# Allegro board C112P01-T2-ZDS-A03.brd (continued)
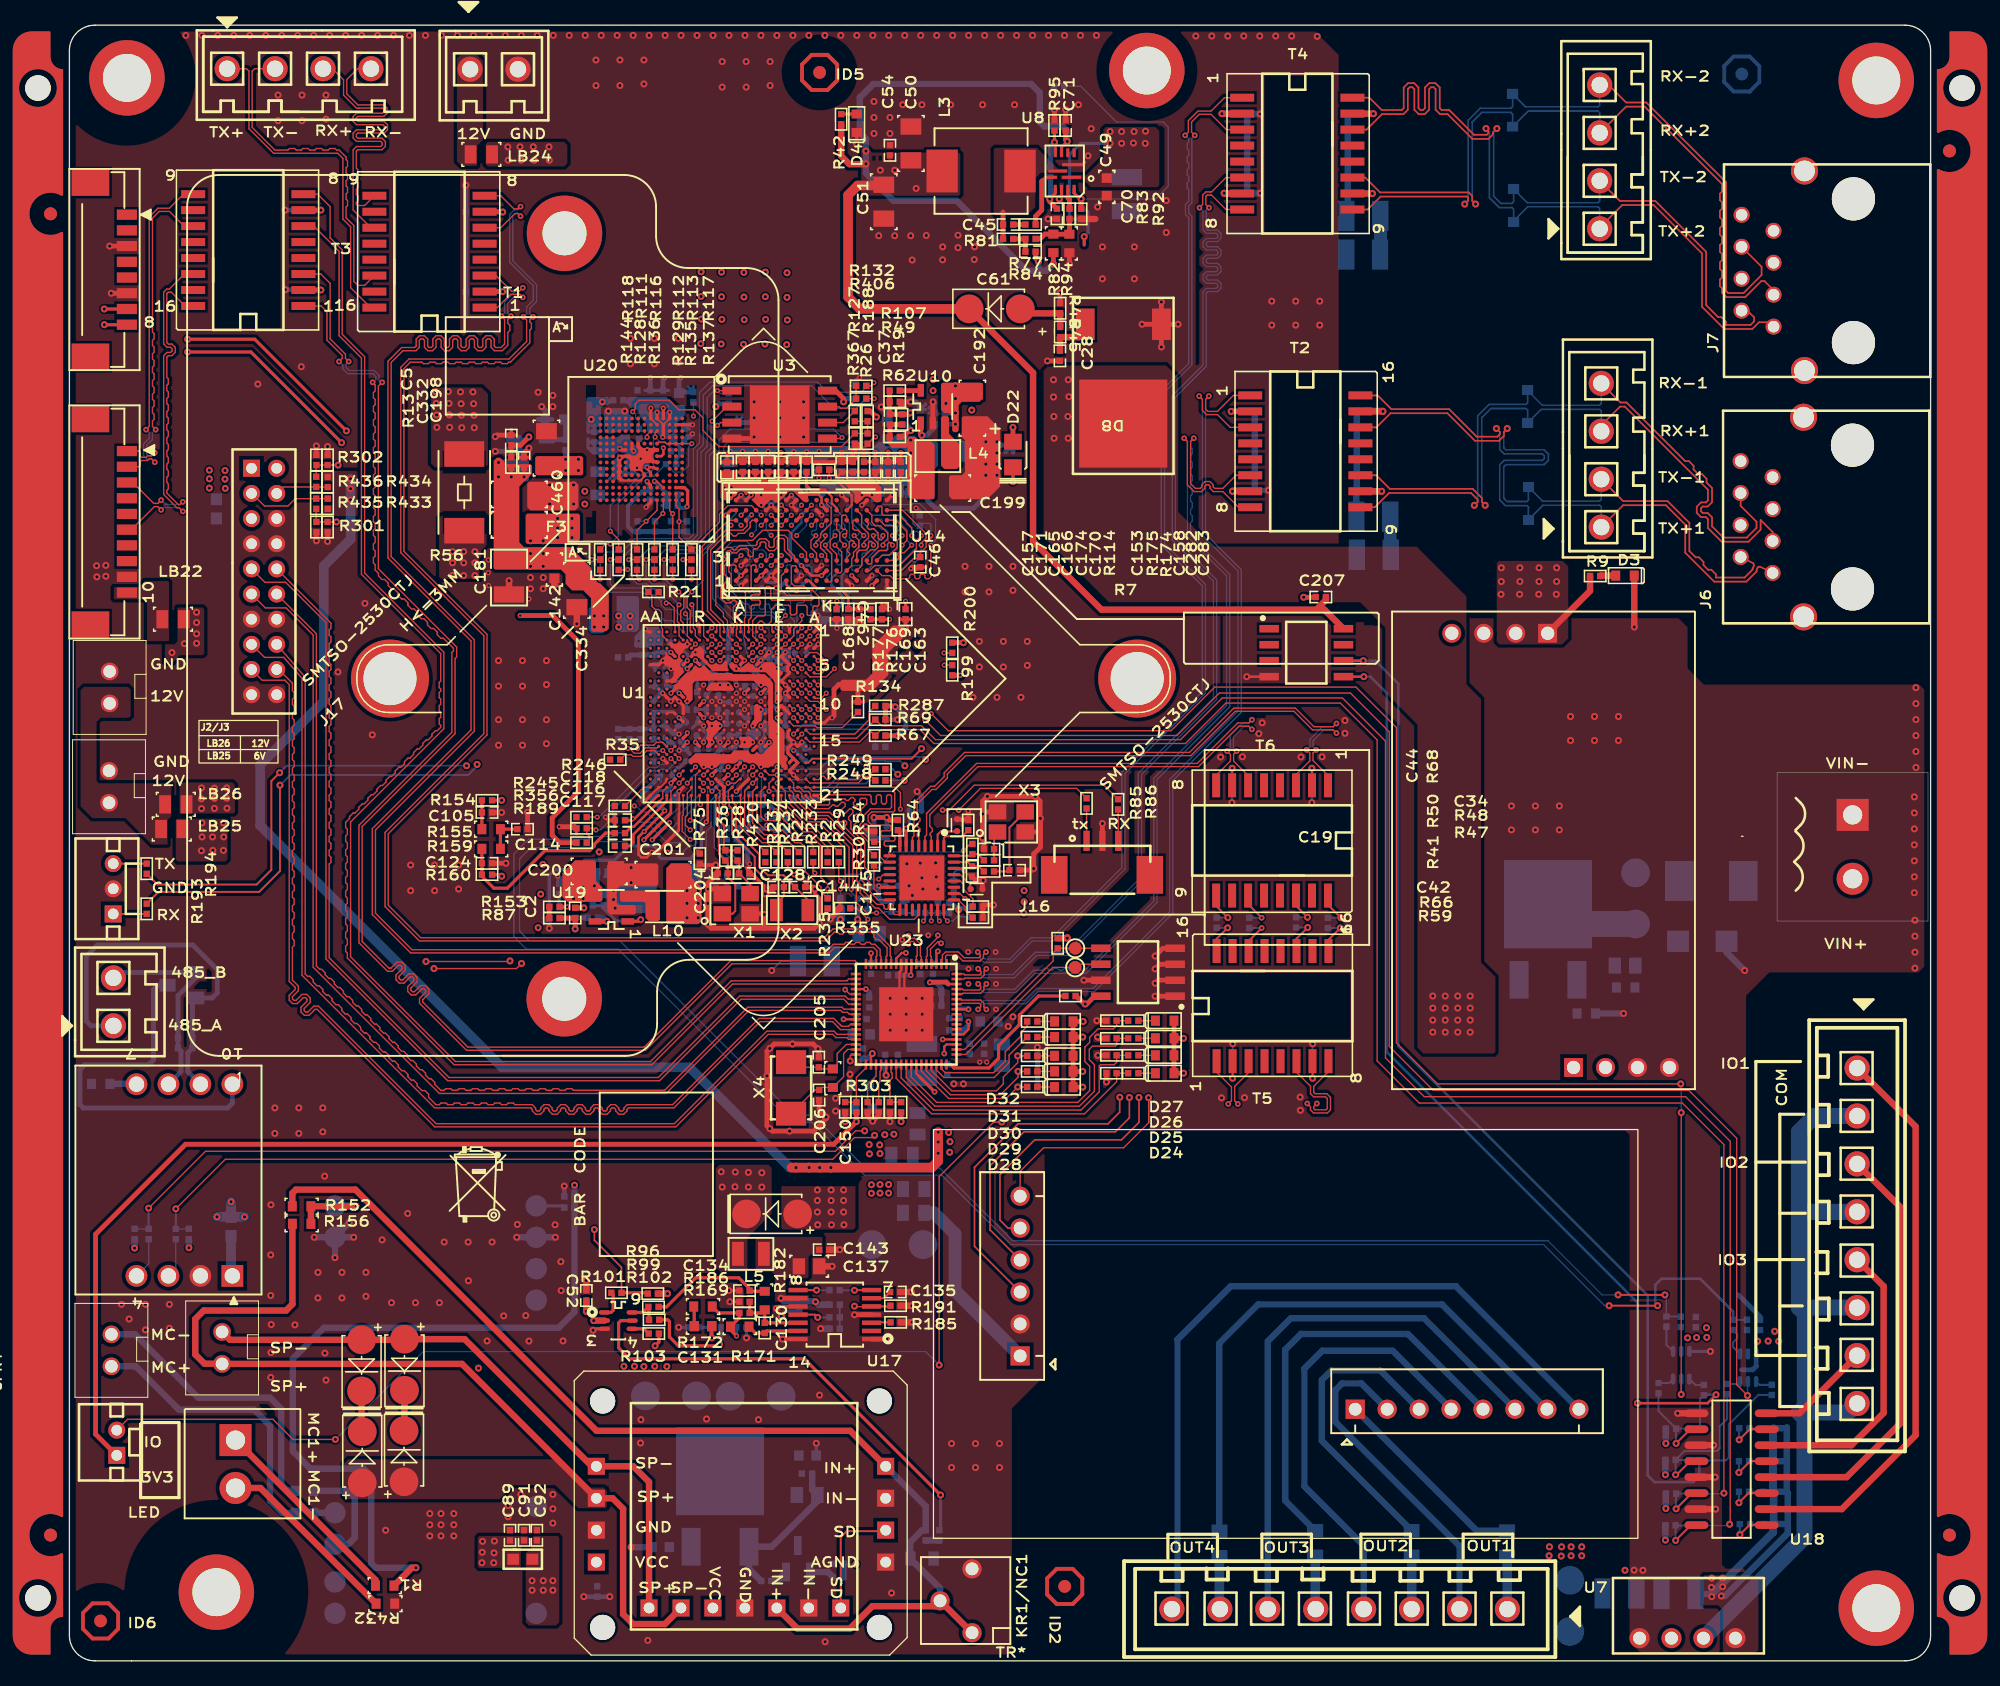
[diagram p0: board, top side]
## Placement (name value [footprint] x y rotation side) (continued)
NOREF  -  []  122.59 55.27 270 top
NOREF#2  -  []  66.29 158.01 0 top
NOREF#3  -  [unnamed#2]  0 130.05 90 top
NOREF#4  -  []  -5 2 0 top
NOREF#5  -  []  145.72 207.45 0 top
NOREF#6  -  []  148.95 0 90 top
NOREF#7  -  []  267.92 -54.84 0 top
NOREF#8  -  []  139.83 1.77 270 top
NOREF#9  -  []  173.56 79.02 0 top
NOREF#10  -  []  -198.01 -192.01 0 top
NOREF#11  -  []  124.54 102.77 0 top
NOREF#12  -  []  34.99 38 0 top
NOREF#13  -  []  260.83 -132.33 0 top
NOREF#14  -  []  46.66 38.68 90 top
NOREF#15  -  []  77.59 55.27 270 top
NOREF#16  -  []  32.59 55.27 270 top
NOREF#17  -  []  0 2.03 270 top
NOREF#18  -  [unnamed#3]  147.95 130.05 90 top
NOREF#19  -  [unnamed#4]  0 0 90 top
NOREF#20  -  []  -29.26 7.77 270 top
NOREF#21  -  [unnamed#5]  147.95 0 90 top
Q5  STD35P6LLF6  [TO252-3]  117.54 56.15 270 bottom
Q6  STD35P6LLF6  [TO252-3]  51.73 11.08 270 bottom
Q7  BC847ALT1/NPN  [SOT_23]  57.91 8.12 180 bottom
R1  0R  [SR0603]  25.07 5.98 180 top
R2  33  [SR0402]  60.27 63.91 270 top
R3  12K  [SR0402]  39.45 96.67 90 bottom
R4  47K  [SR0402]  47.83 95.15 180 bottom
R6  2.7M 1%  [SR0603]  123.71 53.53 0 bottom
R7  100  [SR0402]  59.99 94.7 180 top
R8  5.1M 1%  [SR0603]  120.59 51.47 180 bottom
R9  470R  [SR0402]  121.29 86.25 0 top
R10  0R  [SR0402]  126.95 26.97 90 bottom
R11  0R  [SR0402]  126.33 21.68 90 bottom
R12  0R  [SR0402]  129.92 21.53 90 bottom
R13  10K  [SR0402]  35.13 95.28 90 top
R15  1K/NC  [SR0402]  133.36 26.71 270 bottom
R16  0R  [SR0402]  132.25 26.71 90 bottom
R17  0R  [SR0402]  131.78 21.6 90 bottom
R18  100  [SR0402]  64.47 72.67 0 bottom
R19  30K  [SR0402]  66.19 98.7 90 top
R21  33  [SR0402]  46.43 84.99 0 top
R22  33  [SR0402]  57.99 63.91 270 top
R24  9.53K  [SR0603]  38.56 98.7 180 bottom
R25  100  [SR0402]  56.59 66.95 0 bottom
R26  33  [SR0402]  63.45 97.18 270 top
R28  1.5K  [SR0402]  53.11 64.03 270 top
R29  33  [SR0402]  61.16 63.91 270 top
R30  33  [SR0402]  63.96 63.65 270 top
R33  33  [SR0402]  63.07 60.6 0 bottom
R34  0R  [SR0402]  135.32 21.54 90 bottom
R35  33  [SR0402]  43.38 71.65 0 top
R36  1MEG  [SR0402]  52.15 64.03 90 top
R39  0  [SR0402]  47.82 78.33 0 bottom
R40  0/NC*  [SR0402]  54.43 66.07 0 bottom
R41  0  [SR0402]  71.75 62.76 90 top
R42  470R  [SR0402]  61.35 122.57 90 top
R45  100R  [SR0402]  78.76 105.65 270 top
R46  100R  [SR0402]  78.76 107.54 270 top
R47  0/NC*  [SR0402]  73.1 62.76 180 top
R48  0/NC*  [SR0402]  73.1 63.65 180 top
R49  20K  [SR0402]  65.61 100.1 180 top
R50  0  [SR0402]  71.78 64.54 270 top
R51  1.5K  [SR0402]  61.29 60.22 90 bottom
R52  0/NC*  [SR0402]  66.19 98.7 90 bottom
R53  0  [SR0402]  67.64 59.46 0 bottom
R54  4.7K  [SR0402]  63.98 65.53 90 top
R56  0R  [SR2512C]  31.39 92.9 90 top
R59  4.7K  [SR0402]  72.21 59.08 0 top
R60  4.7K  [SR0402]  71.7 59.56 90 bottom
R61  4.7K  [SR0402]  63.2 61.49 180 bottom
R62  24.9K  [SR0402]  65.61 97.31 0 top
R63  4.7K/NC*  [SR0402]  69.93 59.87 90 bottom
R64  4.7K  [SR0402]  65.86 66.45 270 top
R65  4.7K  [SR0402]  52.65 98.45 0 bottom
R66  4.7K  [SR0402]  72.21 59.97 180 top
R67  1K  [SR0402]  64.47 73.56 0 top
R68  2.49K  [SR0402]  71.45 66.45 270 top
R69  1K  [SR0402]  64.47 74.83 0 top
R75  10K/NC*  [SR0402]  50.11 63.78 270 top
R76  10K  [SR0402]  44.02 79.78 180 bottom
R77  3.3R  [SR0402]  76.4 114.2 180 top
R78  15K  [SR0402]  40.21 59.46 270 bottom
R79  24K  [SR0402]  38.56 59.05 180 bottom
R80  75K  [SR0402]  80.43 115.04 90 bottom
R81  100K/NC  [SR0402]  74.63 113.06 0 top
R82  43K  [SR0603]  78.22 112.7 90 top
R83  0R  [SR0402]  79.5 115.05 270 top
R84  470/NC  [SR0402]  76.4 113.06 0 top
R85  0  [SR0402]  80.86 68.17 90 top
R86  0  [SR0402]  83.36 68.1 90 top
R87  100K  [SR0402]  38.56 59.05 0 top
R88  4.7K  [SR0402]  5.18 33.93 270 bottom
R89  10K  [SR0402]  54.43 66.95 0 bottom
R90  0R  [R0805]  91.41 9.31 90 bottom
R91  0  [SR0402]  56.59 66.07 180 bottom
R92  1MEG/NC  [SR0402]  80.43 115.04 270 top
R93  100K  [SR0402]  77.99 118.38 90 bottom
R94  9.53K  [SR0603]  79.49 112.69 270 top
R95  100K/NC  [SR0402]  78.31 122.07 90 top
R96  0R/NC  [SR0402]  46.43 28.14 180 top
R97  47K  [SR0402]  47.83 90.2 90 bottom
R98  0R  [R0805]  106.71 9.35 90 bottom
R99  1K/NC  [SR0402]  46.38 29.2 0 top
R100  47K  [SR0402]  46.56 90.2 90 bottom
R101  0R  [SR0402]  43.48 29.26 0 top
R102  0R  [SR0402]  46.48 27.11 180 top
R103  0R  [SR0402]  46.46 26.02 180 top
R104  47K  [SR0402]  45.16 90.2 90 bottom
R105  47K  [SR0402]  49.1 90.2 90 bottom
R106  0  [SR0402]  41.61 59.08 180 bottom
R107  0  [SR0402]  65.61 100.99 180 top
R108  0  [SR0402]  41.73 97.31 90 bottom
R109  0/NC*  [SR0402]  43.64 100.23 180 bottom
R110  0  [SR0402]  45.29 97.56 270 bottom
R111  0  [SR0402]  43.66 87.96 90 top
R112  0  [SR0402]  46.51 87.96 90 top
R113  0  [SR0402]  47.96 87.96 90 top
R114  240  [SR0402]  58.6 94.93 270 top
R115  240  [SR0402]  61.01 83.21 90 bottom
R116  0  [SR0402]  45.12 87.96 90 top
R117  0  [SR0402]  49.44 87.96 90 top
R118  0  [SR0402]  42.2 87.96 90 top
R119  75R  [SR0402]  102.69 92.96 180 bottom
R120  75R  [SR0402]  102.74 99.39 180 bottom
R125  75R  [SR0402]  102.03 116.69 180 bottom
R126  75R  [SR0402]  102.03 123.01 180 bottom
R127  0/NC*  [SR0402]  62.43 98.96 90 top
R128  0/NC*  [SR0402]  43.66 87.15 270 top
R129  0/NC*  [SR0402]  46.51 87.15 270 top
R130  0R  [SR0402]  100.04 58.67 90 bottom
R131  0R  [SR0402]  97.51 58.71 90 bottom
R132  0/NC*  [SR0402]  62.94 101.37 0 top
R133  0R  [SR0402]  93.79 58.67 90 bottom
R134  240  [SR0402]  62.69 75.84 270 top
R135  0/NC*  [SR0402]  47.96 87.15 270 top
R136  0/NC*  [SR0402]  45.12 87.15 270 top
R137  0/NC*  [SR0402]  49.44 87.15 270 top
R138  0R  [SR0402]  91.2 58.69 90 bottom
R139  0R  [SR0402]  39.75 36.03 180 bottom
R140  0R  [SR0603]  18.69 11.76 180 bottom
R141  0R  [SR0603]  18.67 13.51 180 bottom
R142  10K  [SR0402]  45.54 80.38 270 bottom
R143  10K  [SR0402]  52.65 66.19 180 bottom
R144  0/NC*  [SR0402]  42.2 87.15 270 top
R145  10K  [SR0402]  48.23 96.16 180 bottom
R146  20K  [SR0402]  49.61 100.48 90 bottom
R148  0R  [SR0402]  49.63 78.17 180 bottom
R149  0/NC  [SR0402]  49.5 77.03 180 bottom
R150  0  [SR0402]  45.16 100.61 90 bottom
R152  0R  [SR0603]  18.46 36.14 0 top
R153  20K  [SR0402]  38.56 59.94 180 top
R154  0  [SR0402]  33.2 68.42 0 top
R155  1.1K  [SR0603]  33.53 66.12 180 top
R156  0R/NC  [SR0603]  18.47 34.75 0 top
R157  0R  [SR0402]  69.16 9.98 90 bottom
R158  33R  [SR0805]  67.77 8.14 0 bottom
R159  1.1K  [SR0603]  33.53 64.56 0 top
R160  0R/NC  [SR0402]  33.2 62.51 0 top
R165  10K  [SR0402]  64.47 73.56 180 bottom
R166  0  [SR0805]  43 84.1 0 bottom
R168  0  [SR0805]  41.99 93.62 270 bottom
R169  91K  [SR0402]  53.67 27.66 180 top
R170  22K  [SR0402]  69.16 98.32 180 bottom
R171  5.1K  [SR0603]  53.29 26.57 180 top
R172  24.3K  [SR0603]  50.37 28.17 180 top
R173  0R/NC  [SR0402]  51.38 26.52 180 bottom
R174  1K  [SR0402]  63.17 94.93 90 top
R175  1K  [SR0402]  62.28 94.93 270 top
R176  1K  [SR0402]  63.68 83.21 270 top
R177  1K  [SR0402]  62.79 83.21 90 top
R178  1K  [SR0402]  57.58 94.93 270 bottom
R179  1K  [SR0402]  56.57 94.93 90 bottom
R180  1K  [SR0402]  62.84 83.21 90 bottom
R181  1K  [SR0402]  63.73 83.21 270 bottom
R182  560  [SR0603]  55.27 28.65 90 top
R183  470K  [SR0402]  49.61 26.52 180 bottom
R184  47K  [SR0402]  60.83 27.3 0 bottom
R185  100K  [SR0402]  65.68 26.91 0 top
R186  100K  [SR0402]  53.67 28.55 180 top
R187  5.6K  [SR0402]  60.83 28.32 180 bottom
R188  10K/NC*  [SR0402]  63.45 98.96 270 top
R189  10K  [SR0402]  40.72 65.05 0 top
R190  2.2K  [SR0402]  60.83 26.42 0 bottom
R191  4.7K  [SR0402]  65.67 28.23 0 top
R192  4.7K  [SR0402]  52.4 100.36 90 bottom
R193  0  [SR0402]  6.15 59.79 90 top
R194  0  [SR0402]  6.15 62.98 270 top
R195  1K  [SR0402]  54.13 68.48 270 bottom
R196  10K  [SR0402]  65.35 59.97 270 bottom
R197  1K  [SR0402]  55.02 68.48 270 bottom
R198  1K/NC*  [SR0402]  64.47 74.83 180 bottom
R199  1K  [SR0402]  70.18 78.77 270 top
R200  1K  [SR0402]  70.18 80.54 90 top
R201  0R  [R0805]  114.29 9.33 90 bottom
R202  0R  [R0805]  99.03 9.35 90 bottom
R203  1K  [SR0402]  38.56 59.94 0 bottom
R204  1K  [SR0402]  43.64 73.69 270 bottom
R205  1K  [SR0402]  45.42 73.69 270 bottom
R206  10K  [SR0402]  63.07 59.72 0 bottom
R207  1K  [SR0402]  44.53 73.69 270 bottom
R208  1K  [SR0402]  46.43 73.69 270 bottom
R211  4.7K  [SR0402]  9.5 33.93 90 bottom
R212  10  [SR0402]  8.46 33.93 270 bottom
R213  10  [SR0402]  6.3 33.93 270 bottom
R214  0R  [SR0402]  8.64 49.12 90 bottom
R215  0R  [SR0402]  9.78 49.12 90 bottom
R216  NC  [SR0603]  2.49 45.87 0 bottom
R219  10K  [SR0402]  127.28 10.77 0 bottom
R220  10K  [SR0402]  127.32 13.3 0 bottom
R221  10K  [SR0402]  127.28 15.98 0 bottom
R222  10K  [SR0402]  127.32 18.47 0 bottom
R223  1K 1%  [SR0402]  135.08 10.88 180 bottom
R224  1K 1%  [SR0402]  133.2 10.87 180 bottom
R225  510  [SR0603]  75.01 95.91 270 bottom
R226  0R  [SR0402]  129.18 10.76 0 bottom
R227  1K 1%  [SR0402]  135.05 13.45 180 bottom
R228  1K 1%  [SR0402]  133.12 13.45 180 bottom
R229  0R  [SR0402]  129.21 13.3 0 bottom
R230  1K 1%  [SR0402]  135.01 15.88 180 bottom
R231  1K 1%  [SR0402]  133.12 15.88 180 bottom
R232  0R  [SR0402]  129.16 15.98 0 bottom
R233  33  [SR0402]  59.13 63.91 270 top
R234  33  [SR0402]  57.1 63.91 270 top
R235  33  [SR0402]  60.27 60.22 270 top
R236  33  [SR0402]  60.27 60.22 270 bottom
R237  33  [SR0402]  56.21 63.91 270 top
R238  33  [SR0402]  64.47 70 180 bottom
R239  33  [SR0402]  64.47 70.89 180 bottom
R240  1K 1%  [SR0402]  135.05 18.49 180 bottom
R241  1K 1%  [SR0402]  133.15 18.49 180 bottom
R242  0R  [SR0402]  129.22 18.47 0 bottom
R245  33  [SR0402]  40.72 67.08 0 top
R246  33  [SR0402]  43.76 67.97 0 top
R247  33  [SR0402]  46.43 71.91 90 bottom
R248  0  [SR0402]  64.47 70 0 top
R249  0  [SR0402]  64.47 70.89 0 top
R270  0R/NC  [R0402]  20.52 90.14 90 top
R271  75R  [R0402]  84.57 46.72 0 top
R272  0R/NC  [R0402]  20.52 95.48 270 top
R273  75R  [R0402]  84.57 48.14 0 top
R274  75R  [R0402]  84.57 49.49 0 top
R275  75R  [R0402]  84.57 50.9 0 top
R276  75R  [R0402]  76.54 45.63 0 top
R277  75R  [R0402]  76.54 46.86 0 top
R278  75R  [R0402]  76.54 48.1 0 top
R279  75R  [R0402]  76.54 49.6 0 top
R280  75R  [R0402]  76.54 50.84 0 top
R281  470K  [R0402]  62.56 44.02 90 top
R282  4.7K/NC  [R0402]  79.58 52.86 180 top
R283  4.7K/NC  [R0402]  82.84 50.9 0 top
R284  0R  [R0402]  64.34 44.02 270 top
R285  4.7K/NC  [R0402]  82.84 49.49 0 top
R286  4.7K/NC  [R0402]  82.84 48.14 0 top
R287  10K  [SR0402]  64.47 75.92 180 top
R288  4.7K/NC  [R0402]  65.23 44.02 270 top
R289  4.7K/NC  [R0402]  76.54 46.86 180 bottom
R290  4.7K/NC  [R0402]  76.54 45.63 180 bottom
R291  4.7K/NC  [R0402]  76.54 48.1 180 bottom
R292  4.7K/NC  [R0402]  82.84 46.72 0 top
R293  6.2K  [R0402]  65.48 54.51 0 bottom
R294  4.7K/NC  [R0402]  66.12 44.02 270 top
R295  4.7K/NC  [R0402]  63.45 44.02 270 top
R296  4.7K  [R0402]  78.56 57.05 270 top
R297  10K  [SR0402]  61.11 6.65 0 bottom
R298  10K  [SR0402]  61.14 7.72 0 bottom
R299  5.1M  [SR0402]  55.4 6.35 0 bottom
R300  2.7M  [SR0402]  58.64 14.88 0 bottom
R301  910R  [SR0402]  19.63 90.14 270 top
R302  910R  [SR0402]  19.63 95.48 90 top
R303  1M  [SR0603]  60.69 46.33 270 top
R308  51K  [SR0402]  41.61 60.48 270 bottom
R354  1K  [SR0402]  66.24 59.97 90 bottom
R355  1K/NC  [SR0402]  61.67 59.84 180 top
R356  1K/NC  [SR0402]  40.72 66.19 180 top
R366  4.7K  [SR0402]  62.94 100.36 0 bottom
R367  1K  [SR0402]  62.43 97.18 270 top
R406  0  [SR0402]  62.94 100.36 0 top
R420  0R  [SR0402]  55.32 63.91 270 top
R421  0R  [SR0402]  52.27 62 270 bottom
R422  0R  [SR0402]  51.38 62 270 bottom
R423  0R  [SR0402]  54.05 62 270 bottom
R424  0R  [SR0402]  53.16 62 270 bottom
R430  1K/NC  [SR0402]  128.09 26.95 270 bottom
R431  1K/NC  [SR0402]  78.66 125.2 180 bottom
R432  0R  [SR0603]  25.12 4.55 180 top
R433  1K  [SR0402]  20.54 92 90 top
R434  1K  [SR0402]  20.54 93.73 270 top
R435  100R  [SR0402]  19.62 92 270 top
R436  100R  [SR0402]  19.62 93.74 90 top
T1  H1102L-OT  [STFM16-50-285]  28.63 112.04 90 top
T2  H1102L  [STFM16-50-285]  98.25 96.16 270 top
T3  H1102L-CAM  [STFM16-50-285]  14.22 112.17 90 top
T4  H1102L  [STFM16-50-285]  97.61 119.84 270 top
T5  H1102L-ai  [STFM16-50-285]  95.64 52.06 0 top
T6  H1102L-ai  [STFM16-50-285]  95.6 65.23 180 top
U1  HI3516_DDR  [BGA367-26-2121]  52.69 75.31 180 top
U2  SGM3001  [SC70-6]  128.13 23.51 0 bottom
U3  SPI_NAND_FLASH_8PIN  [WSON8-MX25L12835ZN]  56.46 99.09 270 top
U6  RTL8201F-VB-CG  [QFN32C-050-0505LH]  67.77 62.26 180 top
U7  -  [B0505S-W2R2]  124.82 1.8 0 top
U8  MP8759GD-Z  [QFN12-0R5-0302-MV]  79.12 118.45 90 top
U9  RT9078  [TSOT23-5]  36.65 96.16 90 bottom
U10  SY8088  [SOT23-5]  68.63 99.72 0 top
U11  DIP2*10-2MM  [CON2X10PD2_GUANGQIAN]  -5.47 128.22 270 top
U12  ATH8809  [ATH8809_MA]  37.11 38.18 270 bottom
U13  AP3001/NC  [AP3001-MA]  53.39 11.66 0 top
U14  NT5CC256M16CP  [BGA96-32-1609G]  58.99 89.09 0 top
U15  NT5CC256M16CP  [BGA96-32-1609G]  58.99 89.09 0 bottom
U16  SG3001  [SC70-6]  43.64 27.05 270 top
U17  -  [SGM8903]  60.85 27.53 90 top
U18  TLP281-4  [SOP16]  134.92 10.79 180 top
U19  ETA3446  [SOT23-5]  43.08 59.74 90 top
U20  H26M52103FMR_NC  [BGA153-20-1414-ENIG]  45.47 95.53 90 top
U21  SGM3001  [SC70-6]  133.44 23.3 0 bottom
U23  IP178G  [QFN68-178]  66.52 51.41 270 top
U24  AT24LC02-SMD/NC  [SO8]  85.2 54.75 180 top
U28  AT88SC0104  [SO8]  98.07 80.15 0 top
X1  24MHZ  [HSX4-0302]  53.01 60.2 0 top
X2  32.768KHZ  [HSX2-0302]  57.45 59.69 180 top
X3  25MEG  [HSX4-0302]  74.88 66.7 0 top
X4  NX5032GB-25.000M-STD-CSK-5  [5032]  57.37 45.55 0 top

## Library data of the parts
C1 C4 C39 C40 C52 C72 C74-C80 C82-C89 C91 C92 C97 C103 = CAP_NP
C2 C3 C5 C7 C9 C12 C19 C22 C23 C27 C29-C34 C36 C37 C41-C44 C46 C47 C55-C60 C62-C69 C73 C81 C90 C93-C96 C98-C102 C104 C106-C113 C115-C119 C121-C123 C125 C126 C128 C129 C139-C142 C144 C145 C153-C155 C157-C174 C181 C188 C192 C195 C197-C201 C204 C210 C225 C231 C281-C283 C285 C332 C334 C423 C460-C462 = C
C6 C10 C11 C207 C284 = C_3
C28 C45 C48-C51 C54 C61 C70 C71 C105 C114 C124 C143 = C_4
C35 C38 = C_0
C130 = C: signal model: DEFAULT_CAPACITOR_47.000000pF_1_2
C131 = C: signal model: DEFAULT_CAPACITOR_2.2e+06pF_1_2
C133 = C: signal model: DEFAULT_CAPACITOR_680.000000pF_1_2
C134 = C: signal model: DEFAULT_CAPACITOR_1000pF_1_2
C135 C138 = C: signal model: DEFAULT_CAPACITOR_3.3e-07pF_1_2
C136 = C: signal model: DEFAULT_CAPACITOR_100000pF_1_2
C137 = C: signal model: DEFAULT_CAPACITOR_1e+07pF_1_2
C150-C152 C156 C175-C180 C182-C184 C187 C189-C191 C193 C194 C196 C202 C203 C205 C206 = C-0603
D1 D5 D6 = D_A_0
D2 D7 D20 D21 D38-D40 D45 = BZX84C10/SOT_0
D3 D4 = LED_0
D8 = BZX84C10/SOT_2
D14-D17 = TVS_BV03C
D18 = D2-3_D
D19 = DZ3_0
D22 = LED
D24-D31 = LL4148_1
D32 = LL4148_2
F1 = FS-A
F3 = FS-A_0
ID1-ID6 = ID-BOARD
J1-J4 J9 J11 J15 J17 J20 J31 = CON2
J5 J8 = CON8
J6 J7 = RJ45-10P-Z_1
J12 = 8 HEADER
J13 = SIP-10
J14 J16 = CON3
J18 = CON7
J19 = CON8A_1
J23 J25 J26 = CON4
J27 = CON8A_2
J34 = CON6: User Part Number: HAMP; Tolerance: #TOL
J35 = CON8: User Part Number: HAMP; Tolerance: #TOL
KR1/NC1 = KR
L3 = L_0
L4 L10 = L
L5 = L: signal model: DEFAULT_INDUCTOR_2200nH_1_2
LB1-LB6 LB9-LB22 LB24-LB26 = LB
M1-M5 = HOLE-8STARS_0
MDC1 MDIO1 = TP
Q5 = NDS0605/SOT
Q6 = FETP-GSD_0: room: 8
Q7 = 2N1070
R1 R10 R11 R15-R17 R90 R98 R99 R101 R102 R139-R141 R152 R156 R157 R201 R202 R297-R300 R430 R432 = R: signal model: DEFAULT_RESISTOR_33000OHM_1_2
R2 R21 R22 R26 R29 R30 R33 R35 R233-R239 R245-R247 = R: signal model: R_SR0402_33_33
R3 R4 R7 R13 R18 R19 R24 R25 R28 R36 R39-R41 R47-R54 R56 R59-R69 R75 R76 R78 R79 R85-R89 R91 R97 R100 R104-R118 R127-R129 R132 R134-R137 R142-R146 R148-R150 R153 R165 R166 R168 R170 R174-R181 R188 R189 R192-R200 R203-R208 R211-R215 R225 R287 R308 R354-R356 R366 R367 R406 R420-R424 = R
R6 R8 R12 R34 R77 R80-R84 R92-R96 R103 R154 R155 R158-R160 R173 = R_0
R9 R42 R45 R46 R216 R303 = R-0603
R119 R120 R125 R126 R219-R224 R226-R232 R240-R242 = Resistor
R130 R131 R133 R138 R301 R302 R433-R436 = R: signal model: DEFAULT_RESISTOR_220.000000OHM_1_2
R169 R185 R186 R431 = R: signal model: DEFAULT_RESISTOR_100000OHM_1_2
R171 = R: signal model: DEFAULT_RESISTOR_5100OHM_1_2
R172 = R: signal model: DEFAULT_RESISTOR_24300OHM_1_2
R182 = R: signal model: DEFAULT_RESISTOR_560.000000OHM_1_2
R183 = R: signal model: DEFAULT_RESISTOR_470000OHM_1_2
R184 = R: signal model: DEFAULT_RESISTOR_47000OHM_1_2
R187 = R: signal model: DEFAULT_RESISTOR_5600OHM_1_2
R190 = R: signal model: DEFAULT_RESISTOR_2200OHM_1_2
R191 = R: signal model: DEFAULT_RESISTOR_4700OHM_1_2
R248 R249 = R: signal model: SR0402_0
R270-R286 R288-R296 = R_Generic
T1-T6 = 000-7090-37R_1
U1 = HI3516_DDR_0
U2 U16 U21 = SG3001
U3 = SPI_NAND_FLASH_0
U6 = RTL8201F-VB-CG
U7 = IB1212S-W75R3
U8 = MP8759_1
U9 = RT9078
U10 = SY8088
U11 = DIP2*10-2MM
U12 = ATH8809
U13 = AP3001
U14 U15 = NT5CC256M16CP_1
U17 = SGM8903
U18 = TLP281-4
U19 = SY8089
U20 = H26M52103FMR_NC
U23 = IP178GA_11
U24 = AT24C02_0
U28 = AT88SC0104
X1 X3 = X_B
X2 = X
X4 = Crystal4_1

## Footprints (pads in the part's own frame, mm; a bottom-side part is the same pattern mirrored in y, then rotated)
5032
  rect 2.4x1.9 smd: 1(0,2.05) 2(0,-2.05)
A1251WV-S-8P
  rect 2.108x2.997 smd: (-6.3,2.9) (7.55,2.9)
  rect 0.813x1.6 smd: 1(5,0) 2(3.75,0) 3(2.5,0) 4(1.25,0) 5(0,0) 6(-1.25,0) 7(-2.5,0) 8(-3.75,0)
A1251WV-S-10P
  rect 2.108x2.997 smd: (-8.8,2.9) (7.55,2.9)
  rect 0.813x1.6 smd: 1(5,0) 2(3.75,0) 3(2.5,0) 4(1.25,0) 5(0,0) 6(-1.25,0) 7(-2.5,0) 8(-3.75,0) 9(-5,0) 10(-6.25,0)
AP3001-MA
  round 2 hole 2 unplated: (-11,9) (-11,-9) (11,9) (11,-9)
  rect 1.35x1.35 hole 0.85: 1(11.5,-3.81) 2(11.5,-1.27) 3(11.5,1.27) 4(11.5,3.81) 5(-11.5,3.81) 6(-11.5,1.27) 7(-11.5,-1.27) 8(-11.5,-3.81)
ATH8809_MA
  round 1.7 smd: 1(2,0) 2(4.5,0) 3(7,0) 4(9.5,0) 5(25.9,0) 6(34.4,0) 7(34.4,16) 8(31.9,16) 9(28.9,16) 10(26.4,16) 11(4.5,16) 12(2,16)
B0505S-W2R2
  round 1.6 hole 1.025: 1(0,0) 2(2.54,0) 3(5.08,0) 4(7.62,0)
BGA96-32-1609G
  round 0.356 smd: A1(-6,-3.2) A2(-6,-2.4) A3(-6,-1.6) A7(-6,1.6) A8(-6,2.4) A9(-6,3.2) B1(-5.2,-3.2) B2(-5.2,-2.4) B3(-5.2,-1.6) B7(-5.2,1.6) B8(-5.2,2.4) B9(-5.2,3.2) C1(-4.4,-3.2) C2(-4.4,-2.4) C3(-4.4,-1.6) C7(-4.4,1.6) C8(-4.4,2.4) C9(-4.4,3.2) D1(-3.6,-3.2) D2(-3.6,-2.4) D3(-3.6,-1.6) D7(-3.6,1.6) D8(-3.6,2.4) D9(-3.6,3.2) E1(-2.8,-3.2) E2(-2.8,-2.4) E3(-2.8,-1.6) E7(-2.8,1.6) E8(-2.8,2.4) E9(-2.8,3.2) F1(-2,-3.2) F2(-2,-2.4) F3(-2,-1.6) F7(-2,1.6) F8(-2,2.4) F9(-2,3.2) G1(-1.2,-3.2) G2(-1.2,-2.4) G3(-1.2,-1.6) G7(-1.2,1.6) G8(-1.2,2.4) G9(-1.2,3.2) H1(-0.4,-3.2) H2(-0.4,-2.4) H3(-0.4,-1.6) H7(-0.4,1.6) H8(-0.4,2.4) H9(-0.4,3.2) J1(0.4,-3.2) J2(0.4,-2.4) J3(0.4,-1.6) J7(0.4,1.6) J8(0.4,2.4) J9(0.4,3.2) K1(1.2,-3.2) K2(1.2,-2.4) K3(1.2,-1.6) K7(1.2,1.6) K8(1.2,2.4) K9(1.2,3.2) L1(2,-3.2) L2(2,-2.4) L3(2,-1.6) L7(2,1.6) L8(2,2.4) L9(2,3.2) M1(2.8,-3.2) M2(2.8,-2.4) M3(2.8,-1.6) M7(2.8,1.6) M8(2.8,2.4) M9(2.8,3.2) N1(3.6,-3.2) N2(3.6,-2.4) N3(3.6,-1.6) N7(3.6,1.6) N8(3.6,2.4) N9(3.6,3.2) P1(4.4,-3.2) P2(4.4,-2.4) P3(4.4,-1.6) P7(4.4,1.6) P8(4.4,2.4) P9(4.4,3.2) R1(5.2,-3.2) R2(5.2,-2.4) R3(5.2,-1.6) R7(5.2,1.6) R8(5.2,2.4) R9(5.2,3.2) T1(6,-3.2) T2(6,-2.4) T3(6,-1.6) T7(6,1.6) T8(6,2.4) T9(6,3.2)
BGA153-20-1414-ENIG
  round 0.305 smd: A1(-3.25,-3.25) A2(-3.25,-2.75) A3(-3.25,-2.25) A4(-3.25,-1.75) A5(-3.25,-1.25) A6(-3.25,-0.75) A7(-3.25,-0.25) A8(-3.25,0.25) A9(-3.25,0.75) A10(-3.25,1.25) A11(-3.25,1.75) A12(-3.25,2.25) A13(-3.25,2.75) A14(-3.25,3.25) B1(-2.75,-3.25) B2(-2.75,-2.75) B3(-2.75,-2.25) B4(-2.75,-1.75) B5(-2.75,-1.25) B6(-2.75,-0.75) B7(-2.75,-0.25) B8(-2.75,0.25) B9(-2.75,0.75) B10(-2.75,1.25) B11(-2.75,1.75) B12(-2.75,2.25) B13(-2.75,2.75) B14(-2.75,3.25) C1(-2.25,-3.25) C2(-2.25,-2.75) C3(-2.25,-2.25) C4(-2.25,-1.75) C5(-2.25,-1.25) C6(-2.25,-0.75) C7(-2.25,-0.25) C8(-2.25,0.25) C9(-2.25,0.75) C10(-2.25,1.25) C11(-2.25,1.75) C12(-2.25,2.25) C13(-2.25,2.75) C14(-2.25,3.25) D1(-1.75,-3.25) D2(-1.75,-2.75) D3(-1.75,-2.25) D4(-1.75,-1.75) D12(-1.75,2.25) D13(-1.75,2.75) D14(-1.75,3.25) E1(-1.25,-3.25) E2(-1.25,-2.75) E3(-1.25,-2.25) E5(-1.25,-1.25) E6(-1.25,-0.75) E7(-1.25,-0.25) E8(-1.25,0.25) E9(-1.25,0.75) E10(-1.25,1.25) E12(-1.25,2.25) E13(-1.25,2.75) E14(-1.25,3.25) F1(-0.75,-3.25) F2(-0.75,-2.75) F3(-0.75,-2.25) F5(-0.75,-1.25) F10(-0.75,1.25) F12(-0.75,2.25) F13(-0.75,2.75) F14(-0.75,3.25) G1(-0.25,-3.25) G2(-0.25,-2.75) G3(-0.25,-2.25) G5(-0.25,-1.25) G10(-0.25,1.25) G12(-0.25,2.25) G13(-0.25,2.75) G14(-0.25,3.25) H1(0.25,-3.25) H2(0.25,-2.75) H3(0.25,-2.25) H5(0.25,-1.25) H10(0.25,1.25) H12(0.25,2.25) H13(0.25,2.75) H14(0.25,3.25) J1(0.75,-3.25) J2(0.75,-2.75) J3(0.75,-2.25) J5(0.75,-1.25) J10(0.75,1.25) J12(0.75,2.25) J13(0.75,2.75) J14(0.75,3.25) K1(1.25,-3.25) K2(1.25,-2.75) K3(1.25,-2.25) K5(1.25,-1.25) K6(1.25,-0.75) K7(1.25,-0.25) K8(1.25,0.25) K9(1.25,0.75) K10(1.25,1.25) K12(1.25,2.25) K13(1.25,2.75) K14(1.25,3.25) L1(1.75,-3.25) L2(1.75,-2.75) L3(1.75,-2.25) L12(1.75,2.25) L13(1.75,2.75) L14(1.75,3.25) M1(2.25,-3.25) M2(2.25,-2.75) M3(2.25,-2.25) M4(2.25,-1.75) M5(2.25,-1.25) M6(2.25,-0.75) M7(2.25,-0.25) M8(2.25,0.25) M9(2.25,0.75) M10(2.25,1.25) M11(2.25,1.75) M12(2.25,2.25) M13(2.25,2.75) M14(2.25,3.25) N1(2.75,-3.25) N2(2.75,-2.75) N3(2.75,-2.25) N4(2.75,-1.75) N5(2.75,-1.25) N6(2.75,-0.75) N7(2.75,-0.25) N8(2.75,0.25) N9(2.75,0.75) N10(2.75,1.25) N11(2.75,1.75) N12(2.75,2.25) N13(2.75,2.75) N14(2.75,3.25) P1(3.25,-3.25) P2(3.25,-2.75) P3(3.25,-2.25) P4(3.25,-1.75) P5(3.25,-1.25) P6(3.25,-0.75) P7(3.25,-0.25) P8(3.25,0.25) P9(3.25,0.75) P10(3.25,1.25) P11(3.25,1.75) P12(3.25,2.25) P13(3.25,2.75) P14(3.25,3.25)
BGA367-26-2121
  round 0.254 smd: A1(-6.5,-6.5) A2(-6.5,-5.85) A3(-6.5,-5.2) A4(-6.5,-4.55) A5(-6.5,-3.9) A6(-6.5,-3.25) A7(-6.5,-2.6) A8(-6.5,-1.95) A9(-6.5,-1.3) A10(-6.5,-0.65) A11(-6.5,0) A12(-6.5,0.65) A13(-6.5,1.3) A14(-6.5,1.95) A15(-6.5,2.6) A17(-6.5,3.9) A19(-6.5,5.2) A20(-6.5,5.85) A21(-6.5,6.5) AA1(6.5,-6.5) AA2(6.5,-5.85) AA3(6.5,-5.2) AA4(6.5,-4.55) AA5(6.5,-3.9) AA7(6.5,-2.6) AA9(6.5,-1.3) AA10(6.5,-0.65) AA11(6.5,0) AA12(6.5,0.65) AA13(6.5,1.3) AA14(6.5,1.95) AA16(6.5,3.25) AA17(6.5,3.9) AA18(6.5,4.55) AA19(6.5,5.2) AA20(6.5,5.85) AA21(6.5,6.5) B1(-5.85,-6.5) B2(-5.85,-5.85) B3(-5.85,-5.2) B4(-5.85,-4.55) B5(-5.85,-3.9) B6(-5.85,-3.25) B7(-5.85,-2.6) B8(-5.85,-1.95) B9(-5.85,-1.3) B10(-5.85,-0.65) B11(-5.85,0) B12(-5.85,0.65) B13(-5.85,1.3) B14(-5.85,1.95) B15(-5.85,2.6) B16(-5.85,3.25) B17(-5.85,3.9) B18(-5.85,4.55) B19(-5.85,5.2) B20(-5.85,5.85) B21(-5.85,6.5) C1(-5.2,-6.5) C2(-5.2,-5.85) C3(-5.2,-5.2) C4(-5.2,-4.55) C5(-5.2,-3.9) C6(-5.2,-3.25) C7(-5.2,-2.6) C8(-5.2,-1.95) C9(-5.2,-1.3) C10(-5.2,-0.65) C11(-5.2,0) C12(-5.2,0.65) C13(-5.2,1.3) C14(-5.2,1.95) C15(-5.2,2.6) C16(-5.2,3.25) C17(-5.2,3.9) C18(-5.2,4.55) C19(-5.2,5.2) C20(-5.2,5.85) C21(-5.2,6.5) D1(-4.55,-6.5) D2(-4.55,-5.85) D3(-4.55,-5.2) D4(-4.55,-4.55) D5(-4.55,-3.9) D6(-4.55,-3.25) D7(-4.55,-2.6) D8(-4.55,-1.95) D9(-4.55,-1.3) D10(-4.55,-0.65) D11(-4.55,0) D12(-4.55,0.65) D13(-4.55,1.3) D14(-4.55,1.95) D15(-4.55,2.6) D16(-4.55,3.25) D17(-4.55,3.9) D18(-4.55,4.55) D19(-4.55,5.2) D20(-4.55,5.85) D21(-4.55,6.5) E1(-3.9,-6.5) E2(-3.9,-5.85) E3(-3.9,-5.2) E4(-3.9,-4.55) E5(-3.9,-3.9) E6(-3.9,-3.25) E7(-3.9,-2.6) E8(-3.9,-1.95) E9(-3.9,-1.3) E10(-3.9,-0.65) E11(-3.9,0) E12(-3.9,0.65) E18(-3.9,4.55) E19(-3.9,5.2) E20(-3.9,5.85) E21(-3.9,6.5) F1(-3.25,-6.5) F2(-3.25,-5.85) F3(-3.25,-5.2) F4(-3.25,-4.55) F5(-3.25,-3.9) F18(-3.25,4.55) F19(-3.25,5.2) F20(-3.25,5.85) F21(-3.25,6.5) G1(-2.6,-6.5) G2(-2.6,-5.85) G3(-2.6,-5.2) G4(-2.6,-4.55) G5(-2.6,-3.9) G8(-2.6,-1.95) G9(-2.6,-1.3) G10(-2.6,-0.65) G11(-2.6,0) G12(-2.6,0.65) G13(-2.6,1.3) G14(-2.6,1.95) G15(-2.6,2.6) G18(-2.6,4.55) G19(-2.6,5.2) G20(-2.6,5.85) G21(-2.6,6.5) H1(-1.95,-6.5) H2(-1.95,-5.85) H3(-1.95,-5.2) H4(-1.95,-4.55) H5(-1.95,-3.9) H8(-1.95,-1.95) H9(-1.95,-1.3) H10(-1.95,-0.65) H11(-1.95,0) H12(-1.95,0.65) H13(-1.95,1.3) H14(-1.95,1.95) H15(-1.95,2.6) H17(-1.95,3.9) H18(-1.95,4.55) H19(-1.95,5.2) H20(-1.95,5.85) H21(-1.95,6.5) J1(-1.3,-6.5) J2(-1.3,-5.85) J3(-1.3,-5.2) J4(-1.3,-4.55) J5(-1.3,-3.9) J8(-1.3,-1.95) J9(-1.3,-1.3) J10(-1.3,-0.65) J11(-1.3,0) J12(-1.3,0.65) J13(-1.3,1.3) J14(-1.3,1.95) J15(-1.3,2.6) J18(-1.3,4.55) J19(-1.3,5.2) J20(-1.3,5.85) J21(-1.3,6.5) K1(-0.65,-6.5) K2(-0.65,-5.85) K3(-0.65,-5.2) K4(-0.65,-4.55) K5(-0.65,-3.9) K8(-0.65,-1.95) K9(-0.65,-1.3) K10(-0.65,-0.65) K11(-0.65,0) K12(-0.65,0.65) K13(-0.65,1.3) K14(-0.65,1.95) K15(-0.65,2.6) K17(-0.65,3.9) K18(-0.65,4.55) K19(-0.65,5.2) K20(-0.65,5.85) K21(-0.65,6.5) L1(0,-6.5) L2(0,-5.85) L3(0,-5.2) L4(0,-4.55) L5(0,-3.9) L8(0,-1.95) L9(0,-1.3) L10(0,-0.65) L11(0,0) L12(0,0.65) L13(0,1.3) L14(0,1.95) L15(0,2.6) L18(0,4.55) L19(0,5.2) L20(0,5.85) L21(0,6.5) M1(0.65,-6.5) M2(0.65,-5.85) M3(0.65,-5.2) M4(0.65,-4.55) M5(0.65,-3.9) M8(0.65,-1.95) M9(0.65,-1.3) M10(0.65,-0.65) M11(0.65,0) M12(0.65,0.65) M13(0.65,1.3) M14(0.65,1.95) M15(0.65,2.6) M18(0.65,4.55) M19(0.65,5.2) M20(0.65,5.85) M21(0.65,6.5) N1(1.3,-6.5) N2(1.3,-5.85) N3(1.3,-5.2) N4(1.3,-4.55) N8(1.3,-1.95) N9(1.3,-1.3) N10(1.3,-0.65) N11(1.3,0) N12(1.3,0.65) N13(1.3,1.3) N14(1.3,1.95) N15(1.3,2.6) N18(1.3,4.55) N19(1.3,5.2) N20(1.3,5.85) N21(1.3,6.5) P1(1.95,-6.5) P2(1.95,-5.85) P3(1.95,-5.2) P4(1.95,-4.55) P8(1.95,-1.95) P9(1.95,-1.3) P10(1.95,-0.65) P11(1.95,0) P12(1.95,0.65) P13(1.95,1.3) P14(1.95,1.95) P15(1.95,2.6) P17(1.95,3.9) P18(1.95,4.55) P19(1.95,5.2) P20(1.95,5.85) P21(1.95,6.5) R1(2.6,-6.5) R2(2.6,-5.85) R3(2.6,-5.2) R4(2.6,-4.55) R5(2.6,-3.9) R8(2.6,-1.95) R9(2.6,-1.3) R10(2.6,-0.65) R11(2.6,0) R12(2.6,0.65) R13(2.6,1.3) R14(2.6,1.95) R15(2.6,2.6) R17(2.6,3.9) R18(2.6,4.55) R19(2.6,5.2) R20(2.6,5.85) R21(2.6,6.5) T1(3.25,-6.5) T2(3.25,-5.85) T3(3.25,-5.2) T4(3.25,-4.55) T5(3.25,-3.9) T17(3.25,3.9) T18(3.25,4.55) T19(3.25,5.2) T20(3.25,5.85) T21(3.25,6.5) U1(3.9,-6.5) U2(3.9,-5.85) U3(3.9,-5.2) U4(3.9,-4.55) U5(3.9,-3.9) U9(3.9,-1.3) U11(3.9,0) U12(3.9,0.65) U14(3.9,1.95) U15(3.9,2.6) U18(3.9,4.55) U19(3.9,5.2) U20(3.9,5.85) U21(3.9,6.5) V1(4.55,-6.5) V2(4.55,-5.85) V3(4.55,-5.2) V4(4.55,-4.55) V5(4.55,-3.9) V6(4.55,-3.25) V7(4.55,-2.6) V8(4.55,-1.95) V9(4.55,-1.3) V10(4.55,-0.65) V11(4.55,0) V12(4.55,0.65) V13(4.55,1.3) V14(4.55,1.95) V15(4.55,2.6) V16(4.55,3.25) V17(4.55,3.9) V18(4.55,4.55) V19(4.55,5.2) V20(4.55,5.85) V21(4.55,6.5) W1(5.2,-6.5) W2(5.2,-5.85) W3(5.2,-5.2) W4(5.2,-4.55) W5(5.2,-3.9) W6(5.2,-3.25) W7(5.2,-2.6) W8(5.2,-1.95) W9(5.2,-1.3) W10(5.2,-0.65) W11(5.2,0) W12(5.2,0.65) W13(5.2,1.3) W14(5.2,1.95) W15(5.2,2.6) W16(5.2,3.25) W17(5.2,3.9) W18(5.2,4.55) W19(5.2,5.2) W20(5.2,5.85) W21(5.2,6.5) Y1(5.85,-6.5) Y2(5.85,-5.85) Y3(5.85,-5.2) Y4(5.85,-4.55) Y5(5.85,-3.9) Y6(5.85,-3.25) Y7(5.85,-2.6) Y8(5.85,-1.95) Y9(5.85,-1.3) Y10(5.85,-0.65) Y11(5.85,0) Y12(5.85,0.65) Y13(5.85,1.3) Y14(5.85,1.95) Y15(5.85,2.6) Y16(5.85,3.25) Y17(5.85,3.9) Y18(5.85,4.55) Y19(5.85,5.2) Y20(5.85,5.85) Y21(5.85,6.5)
CON1X2PD2
  rect 1.35x1.35 hole 0.85: 1(0,0)
  round 1.35 hole 0.85: 2(2,0)
CON1X2PD3_811
  round 2 hole 1.3: 1(-1.905,0) 2(1.905,0)
CON1X4PD3_81-180
  round 2 hole 1.3: 1(-1.905,0) 2(1.905,0) 3(5.715,0) 4(9.525,0)
CON1X6PD254
  rect 1.524x1.524 hole 1.016: 1(-3.81,0)
  round 1.524 hole 1.016: 2(-1.27,0) 3(1.27,0) 4(3.81,0) 5(6.35,0) 6(8.89,0)
CON1X8PD3_81-180
  round 2 hole 1.3: 1(0,0) 2(3.81,0) 3(7.62,0) 4(11.43,0) 5(15.24,0) 6(19.05,0) 7(22.86,0) 8(26.67,0)
CON1X8PD254
  rect 1.524x1.524 hole 1.016: 1(-3.81,0)
  round 1.524 hole 1.016: 2(-1.27,0) 3(1.27,0) 4(3.81,0) 5(6.35,0) 6(8.89,0) 7(11.43,0) 8(13.97,0)
CON2X10PD2_GUANGQIAN
  round 6 hole 3.5: (14.72,44.83) (75.58,44.81)
  rect 1.35x1.35 hole 0.85: 1(33.4,19.95)
  round 1.35 hole 0.85: 2(33.4,21.95) 3(35.4,19.95) 4(35.4,21.95) 5(37.4,19.95) 6(37.4,21.95) 7(39.4,19.95) 8(39.4,21.95) 9(41.4,19.95) 10(41.4,21.95) 11(43.4,19.95) 12(43.4,21.95) 13(45.4,19.95) 14(45.4,21.95) 15(47.4,19.95) 16(47.4,21.95) 17(49.4,19.95) 18(49.4,21.95) 19(51.4,19.95) 20(51.4,21.95)
CON-1X2P-381-KF127
  rect 2.54x2.54 hole 1.524: 1(-1.905,0)
  round 2.54 hole 1.524: 2(1.905,0)
CON-1X2P-508-KF127S-2
  rect 2.54x2.54 hole 1.524: 1(-2.54,0)
  round 2.54 hole 1.524: 2(2.54,0)
D-PACK7_7
  rect 1.5x2.5 smd: 1(-3.03,-7.9) 3(3.03,-7.9)
  rect 7x7 smd: 2(0,0)
FAN4010_59_2H
  round 6.2 hole 4.22: 1(-21,21) 2(21,-21)
HOLE6C3_5MM
  round 6 hole 3.81: 1(0,0)
HSC0402
  rect 0.508x0.508 smd: 1(-0.406,0) 2(0.406,0)
HSL1008
  rect 0.94x1.905 smd: 1(-1.029,0) 2(1.029,0)
HSX2-0302
  rect 1.016x1.778 smd: 1(-1.25,0) 2(1.25,0)
HSX4-0302
  rect 1.397x1.219 smd: 1(-1.1,-0.8) 2(1.1,-0.8) 3(1.1,0.8) 4(-1.1,0.8)
ID-BOARD
  round 1.016 smd: 1(0,0)
LED0603
  rect 0.711x0.813 smd: A(0.737,0) C(-0.737,0)
MJ-TE-8P-COMPL-PIN-CAT5-PC
  round 3.429 hole 3.429 unplated: (2.73,6.11) (14.16,6.11)
  round 1.27 hole 0.914: 1(4,12.46) 2(5.27,15) 3(6.54,12.46) 4(7.81,15) 5(9.08,12.46) 6(10.35,15) 7(11.62,12.46) 8(12.89,15)
  round 2.159 hole 1.651: 11(0.51,10) 12(16.38,10)
OEP30W-D
  rect 1.35x1.35 hole 0.85: 1(16.32,1.5) 2(16.32,4.04) 3(16.32,6.58) 4(16.32,9.12) 5(16.32,11.66) 6(16.32,14.2) 7(16.32,16.74)
PH-3P
  rect 1.35x1.35 hole 0.85: 1(0,0)
  round 1.35 hole 0.85: 2(2,0) 3(4,0)
QFN12-0R5-0302-MV
  rect 0.25x1.5 smd: 1(-0.5,-0.55) 2(0.5,-0.55) 7(0,0.55)
  rect 0.7x0.25 smd: 3(1.45,-0.75) 4(1.45,-0.25) 5(1.45,0.25) 6(1.45,0.75) 9(-1.45,0.75) 10(-1.45,0.25) 11(-1.45,-0.25) 12(-1.45,-0.75)
  rect 0.25x0.7 smd: 8(-0.5,0.95)
QFN32C-050-0505LH
  oval 0.254x1.016 smd: 1(-1.75,-2.55) 2(-1.25,-2.55) 3(-0.75,-2.55) 4(-0.25,-2.55) 5(0.25,-2.55) 6(0.75,-2.55) 7(1.25,-2.55) 8(1.75,-2.55) 17(1.75,2.55) 18(1.25,2.55) 19(0.75,2.55) 20(0.25,2.55) 21(-0.25,2.55) 22(-0.75,2.55) 23(-1.25,2.55) 24(-1.75,2.55)
  oval 1.016x0.254 smd: 9(2.55,-1.75) 10(2.55,-1.25) 11(2.55,-0.75) 12(2.55,-0.25) 13(2.55,0.25) 14(2.55,0.75) 15(2.55,1.25) 16(2.55,1.75) 25(-2.55,1.75) 26(-2.55,1.25) 27(-2.55,0.75) 28(-2.55,0.25) 29(-2.55,-0.25) 30(-2.55,-0.75) 31(-2.55,-1.25) 32(-2.55,-1.75)
  rect 3.556x3.556 smd: 33(0,0)
QFN68-178
  rect 0.8x0.2 smd: 1(-4,3.2) 2(-4,2.799) 3(-4,2.4) 4(-4,1.999) 5(-4,1.6) 6(-4,1.199) 7(-4,0.8) 8(-4,0.401) 9(-4,0) 10(-4,-0.401) 11(-4,-0.8) 12(-4,-1.199) 13(-4,-1.6) 14(-4,-1.999) 15(-4,-2.4) 16(-4,-2.799) 17(-4,-3.2) 35(4,-3.2) 36(4,-2.799) 37(4,-2.4) 38(4,-1.999) 39(4,-1.6) 40(4,-1.199) 41(4,-0.8) 42(4,-0.401) 43(4,0) 44(4,0.401) 45(4,0.8) 46(4,1.199) 47(4,1.6) 48(4,1.999) 49(4,2.4) 50(4,2.799) 51(4,3.2)
  rect 0.2x0.8 smd: 18(-3.2,-4) 19(-2.799,-4) 20(-2.4,-4) 21(-1.999,-4) 22(-1.6,-4) 23(-1.199,-4) 24(-0.8,-4) 25(-0.401,-4) 26(0,-4) 27(0.401,-4) 28(0.8,-4) 29(1.199,-4) 30(1.6,-4) 31(1.999,-4) 32(2.4,-4) 33(2.799,-4) 34(3.2,-4) 52(3.2,4) 53(2.799,4) 54(2.4,4) 55(1.999,4) 56(1.6,4) 57(1.199,4) 58(0.8,4) 59(0.401,4) 60(0,4) 61(-0.401,4) 62(-0.8,4) 63(-1.199,4) 64(-1.6,4) 65(-1.999,4) 66(-2.4,4) 67(-2.799,4) 68(-3.2,4)
  rect 4.3x4.3 smd: 69(0,0)
R0402
  rect 0.508x0.508 smd: 1(-0.406,0) 2(0.406,0)
R0805
  rect 1.016x1.27 smd: 1(-1.016,0) 2(1.016,0)
SC70-6
  oval 0.356x0.889 smd: 1(-0.65,-1.1) 2(0,-1.1) 3(0.65,-1.1) 4(0.65,1.1) 5(0,1.1) 6(-0.65,1.1)
SC0402
  rect 0.508x0.508 smd: 1(-0.406,0) 2(0.406,0)
SC0402-BGA
  custom 0.475x0.51 smd: 1(-0.47,0) 2(0.47,0)
SC0402-PD
  rect 0.508x0.508 smd: 1(-0.406,0) 2(0.406,0)
SC0603
  rect 0.762x0.813 smd: 1(-0.699,0) 2(0.699,0)
SC0805
  rect 0.991x1.27 smd: 1(-0.813,0) 2(0.813,0)
SC1206
  rect 1.295x1.651 smd: 1(-1.346,0) 2(1.346,0)
SC1210
  rect 1.295x2.413 smd: 1(-1.346,0) 2(1.346,0)
SC1210B
  rect 1.295x2.413 smd: 1(-1.346,0) 2(1.346,0)
SD0805-LED
  rect 1.27x1.397 smd: 1(-1.016,0) 2(1.016,0)
SD1710A
  rect 1.727x1.676 smd: 1(-1.93,0) 2(1.93,0)
SF1206
  rect 1.295x1.651 smd: 1(-1.346,0) 2(1.346,0)
SF6127
  rect 2.286x3.175 smd: 1(-2.54,0) 2(2.54,0)
SGM8903
  rect 0.356x1.524 smd: 1(-1.95,-2.921) 2(-1.3,-2.921) 3(-0.65,-2.921) 4(0,-2.921) 5(0.65,-2.921) 6(1.3,-2.921) 7(1.95,-2.921) 8(1.95,2.921) 9(1.3,2.921) 10(0.65,2.921) 11(0,2.921) 12(-0.65,2.921) 13(-1.3,2.921) 14(-1.95,2.921)
SL0402
  rect 0.483x0.508 smd: 1(-0.394,0) 2(0.394,0)
SL0603
  rect 0.94x0.889 smd: 1(-0.762,0) 2(0.762,0)
SL0805
  rect 0.94x1.27 smd: 1(-0.851,0) 2(0.851,0)
